# Altium PCB LAUNCHXL-F28379D-REV2.0.PcbDoc (part 1 of 4)
Units mil, origin at the board's own origin, x right, y up, seen from the top; angles counter-clockwise.
Board outline 5110 x 2300 mil, 6 copper layers (Top, GND, Route1, Route2, VDD, Bottom), stack 61.008 mil thick; 247 components, 311 nets, 1123 pads, 621 vias.
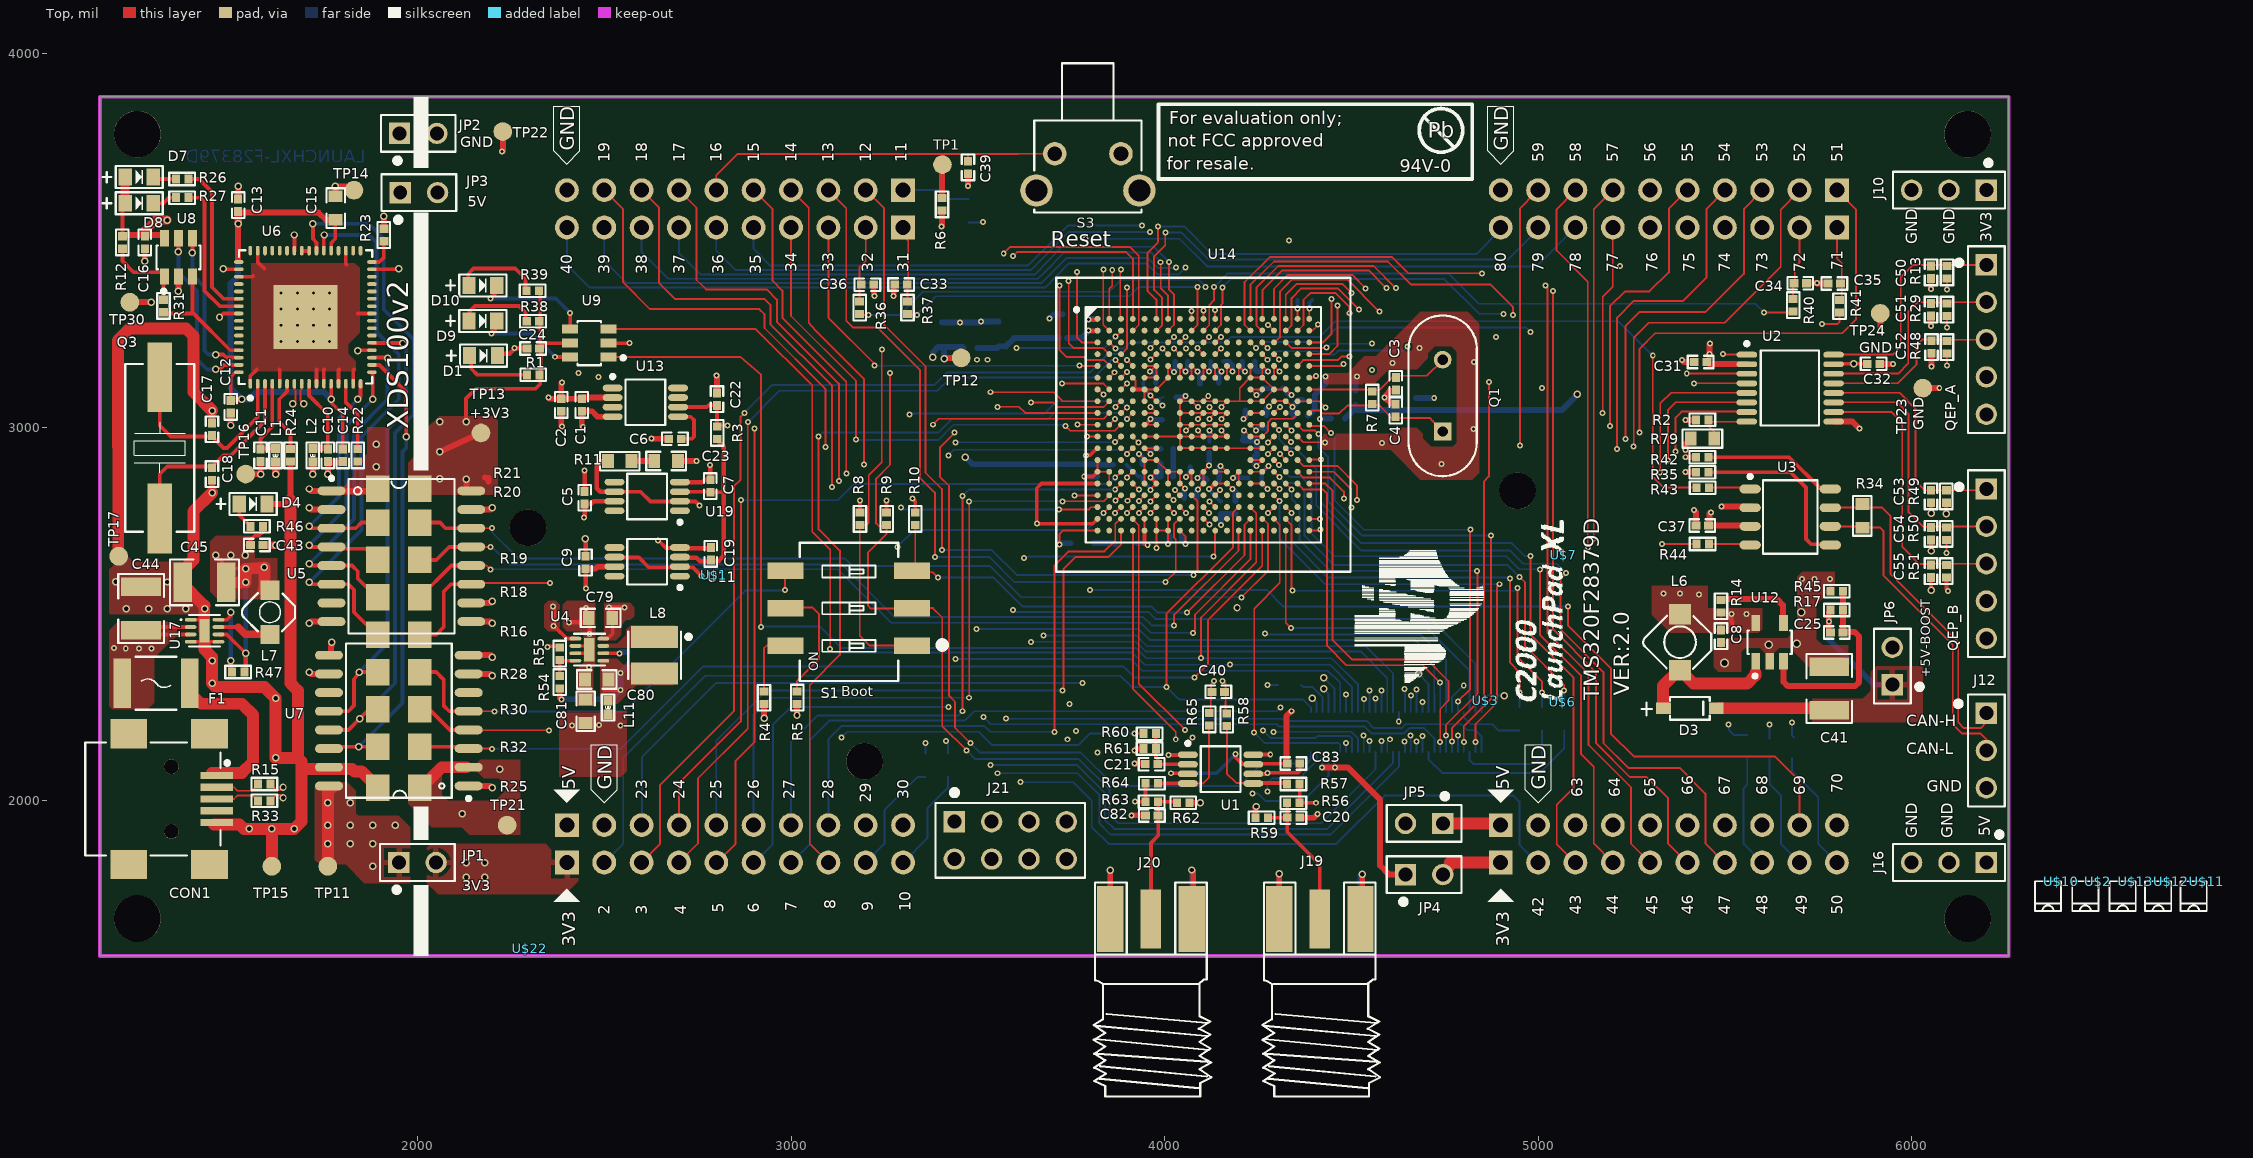
[diagram p0: Top view]
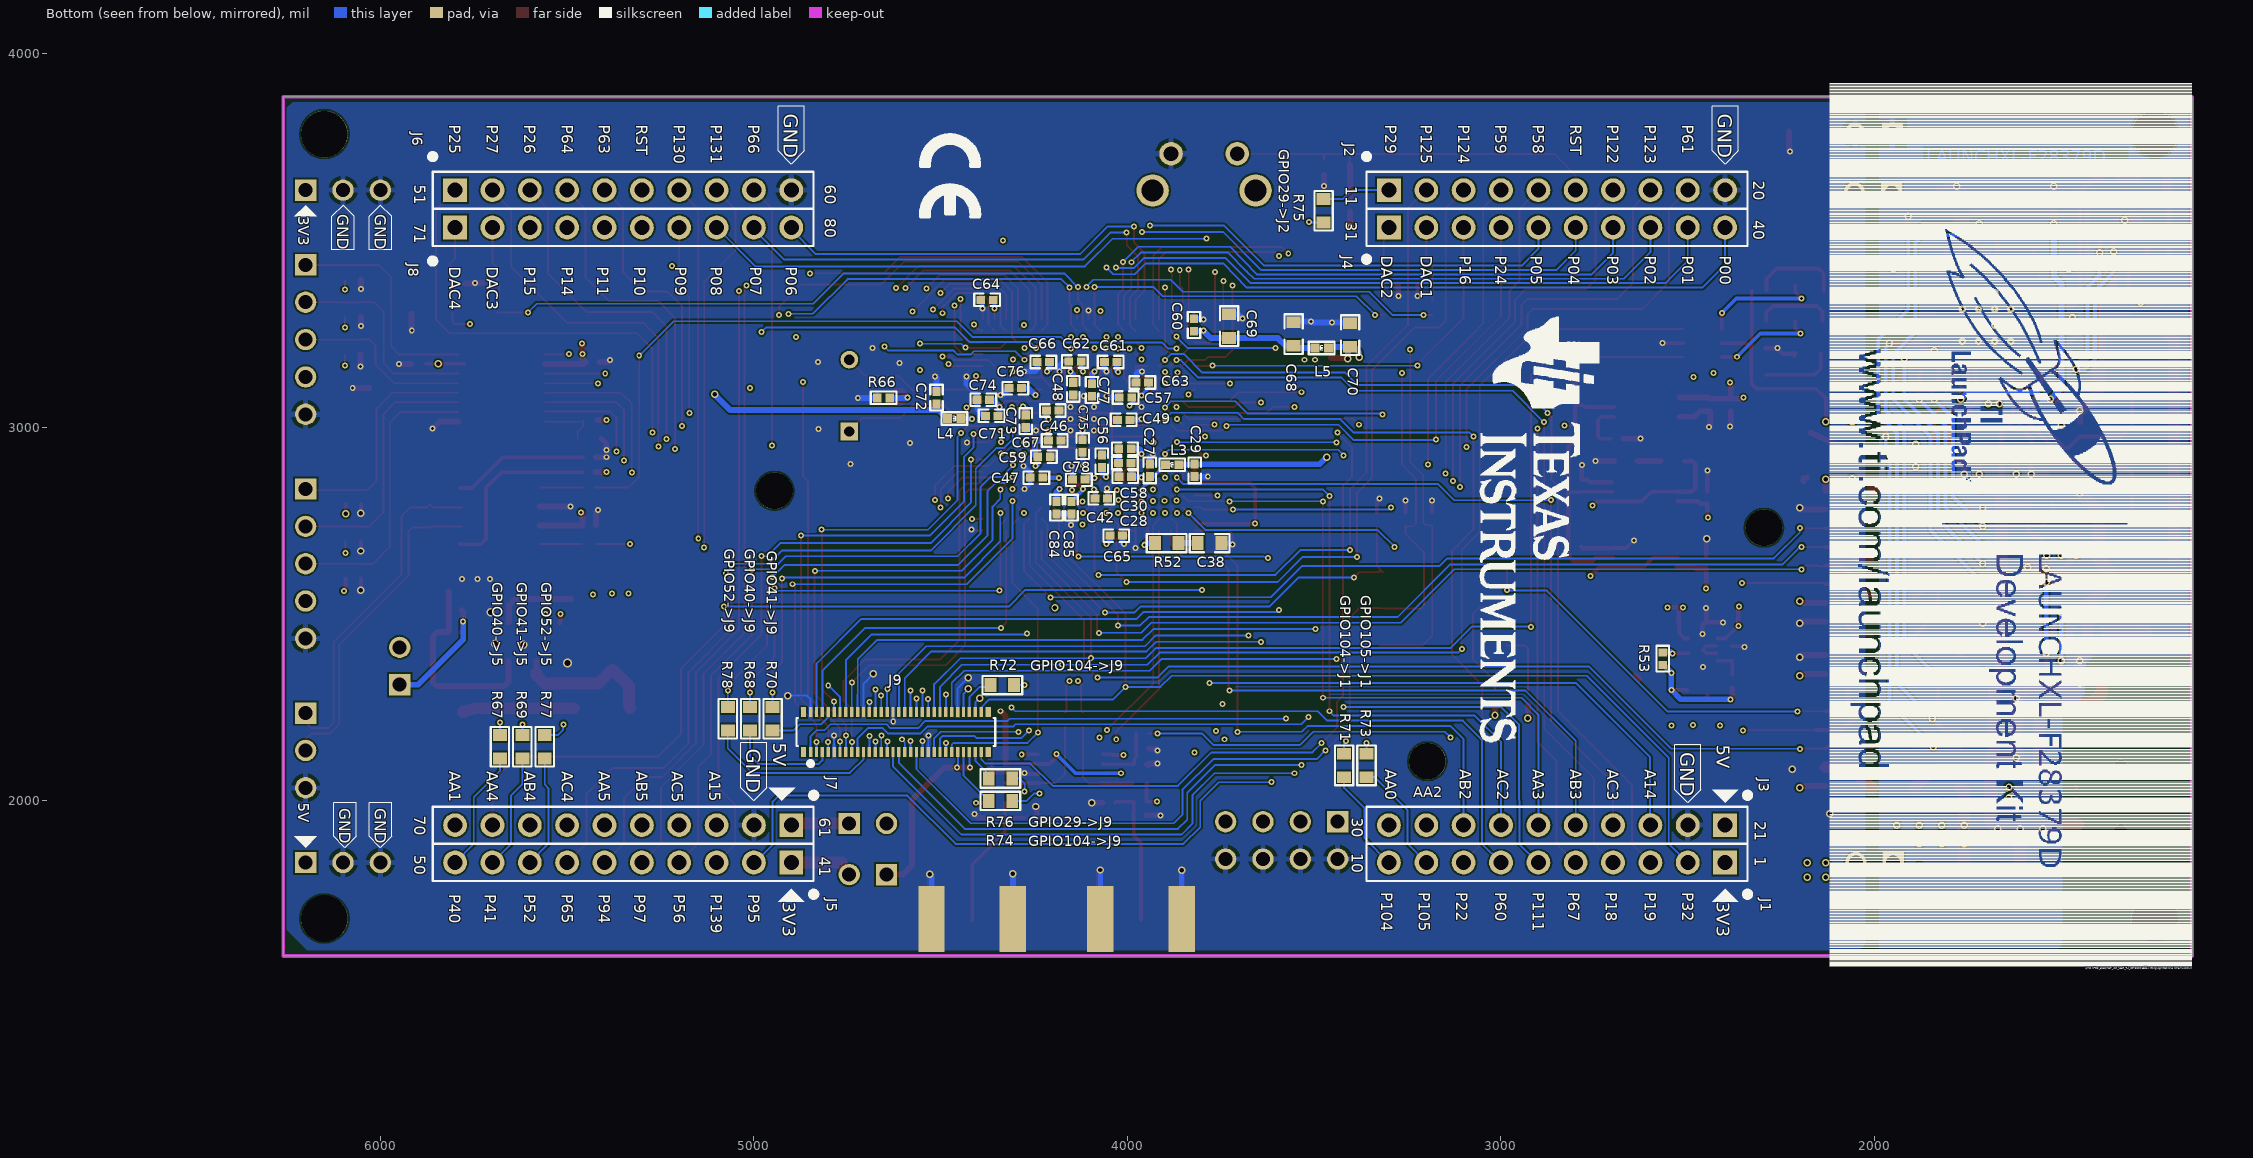
[diagram p1: Bottom view, seen from below]
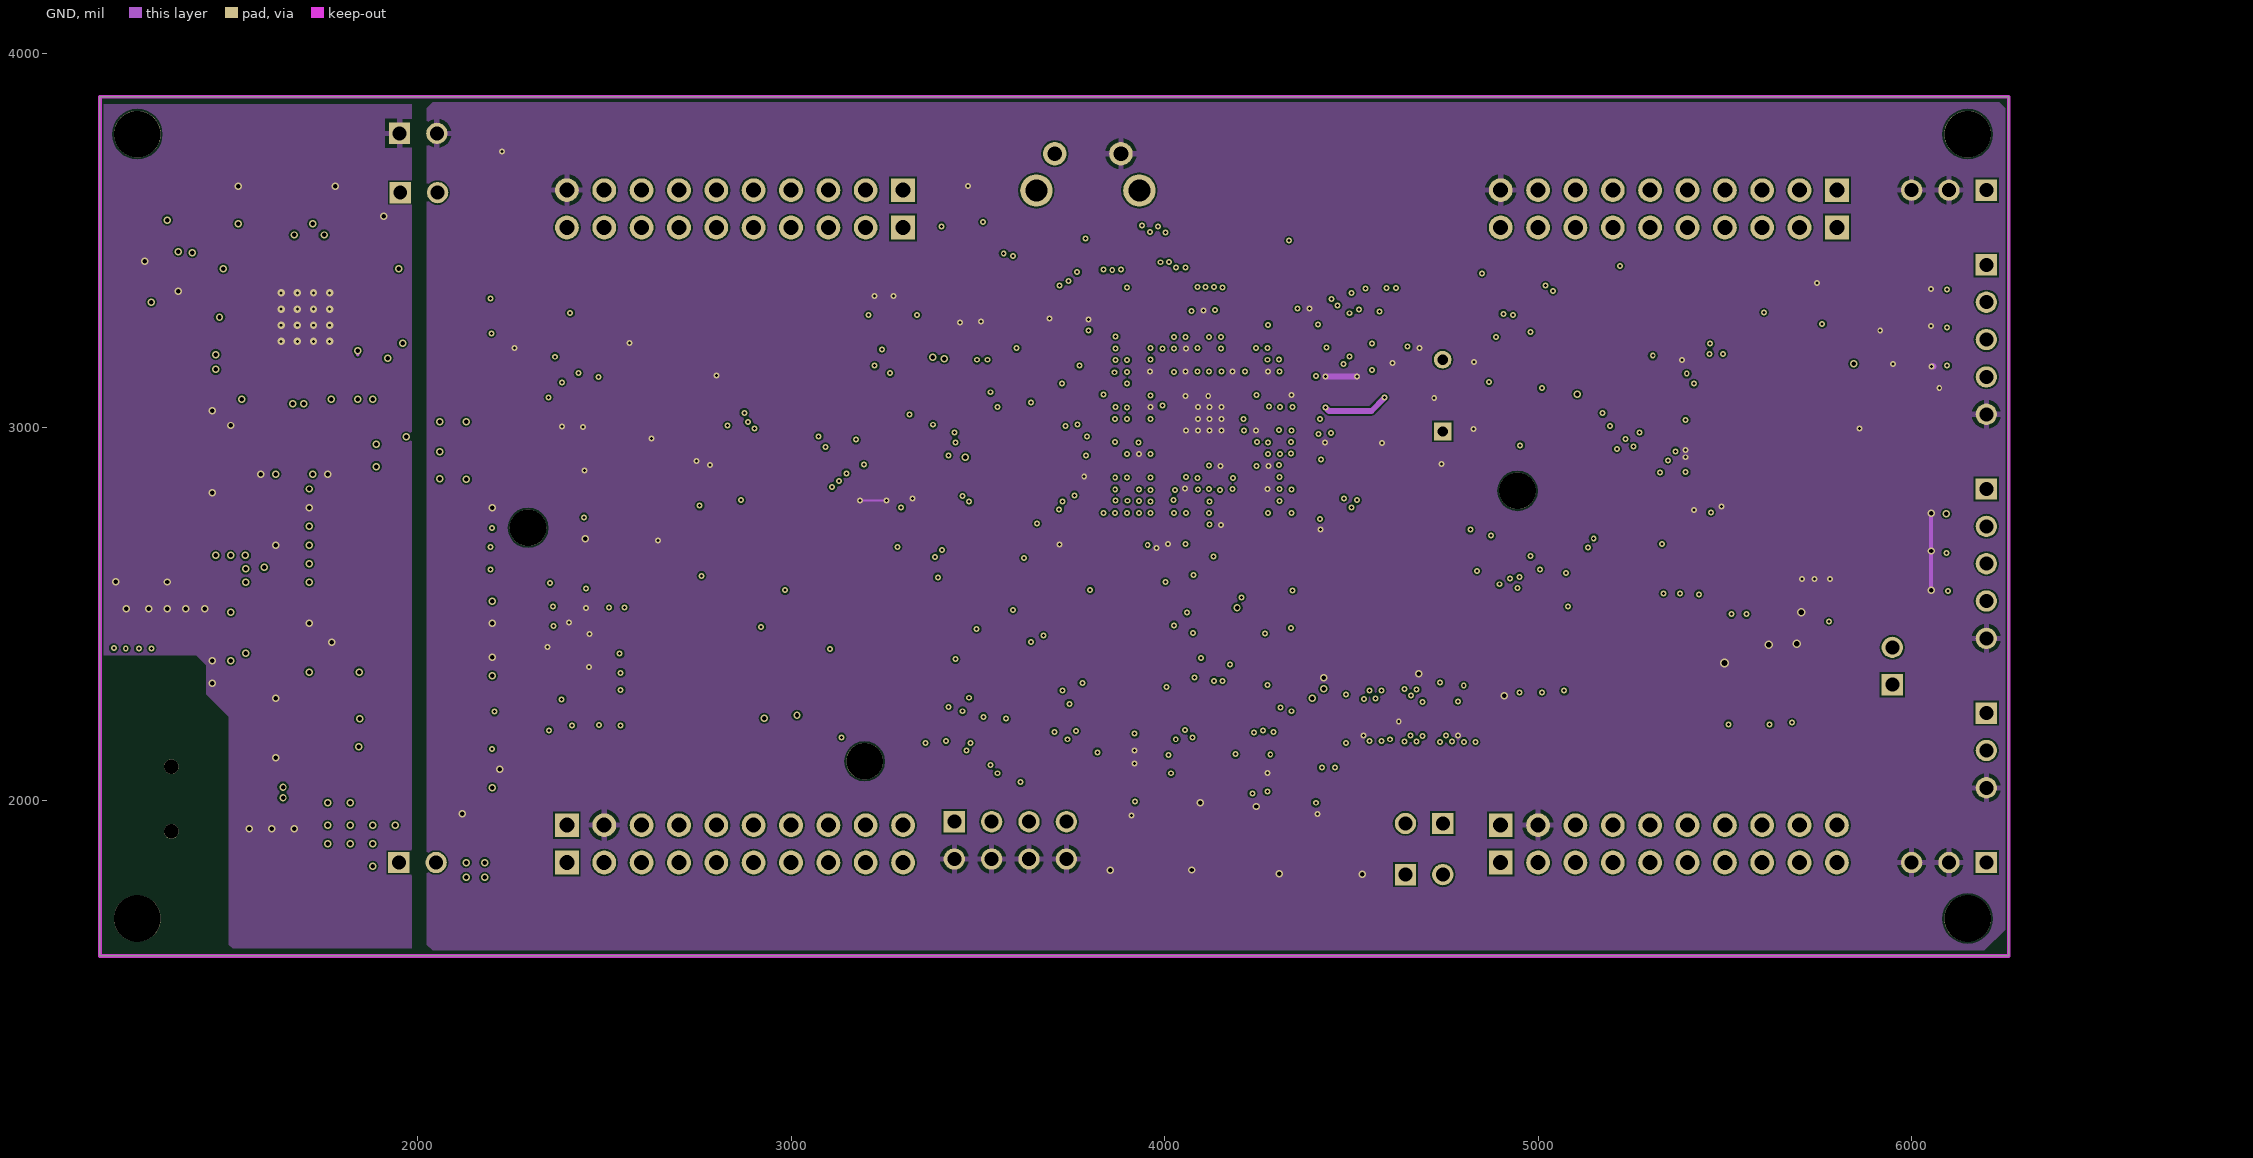
[diagram p2: GND]
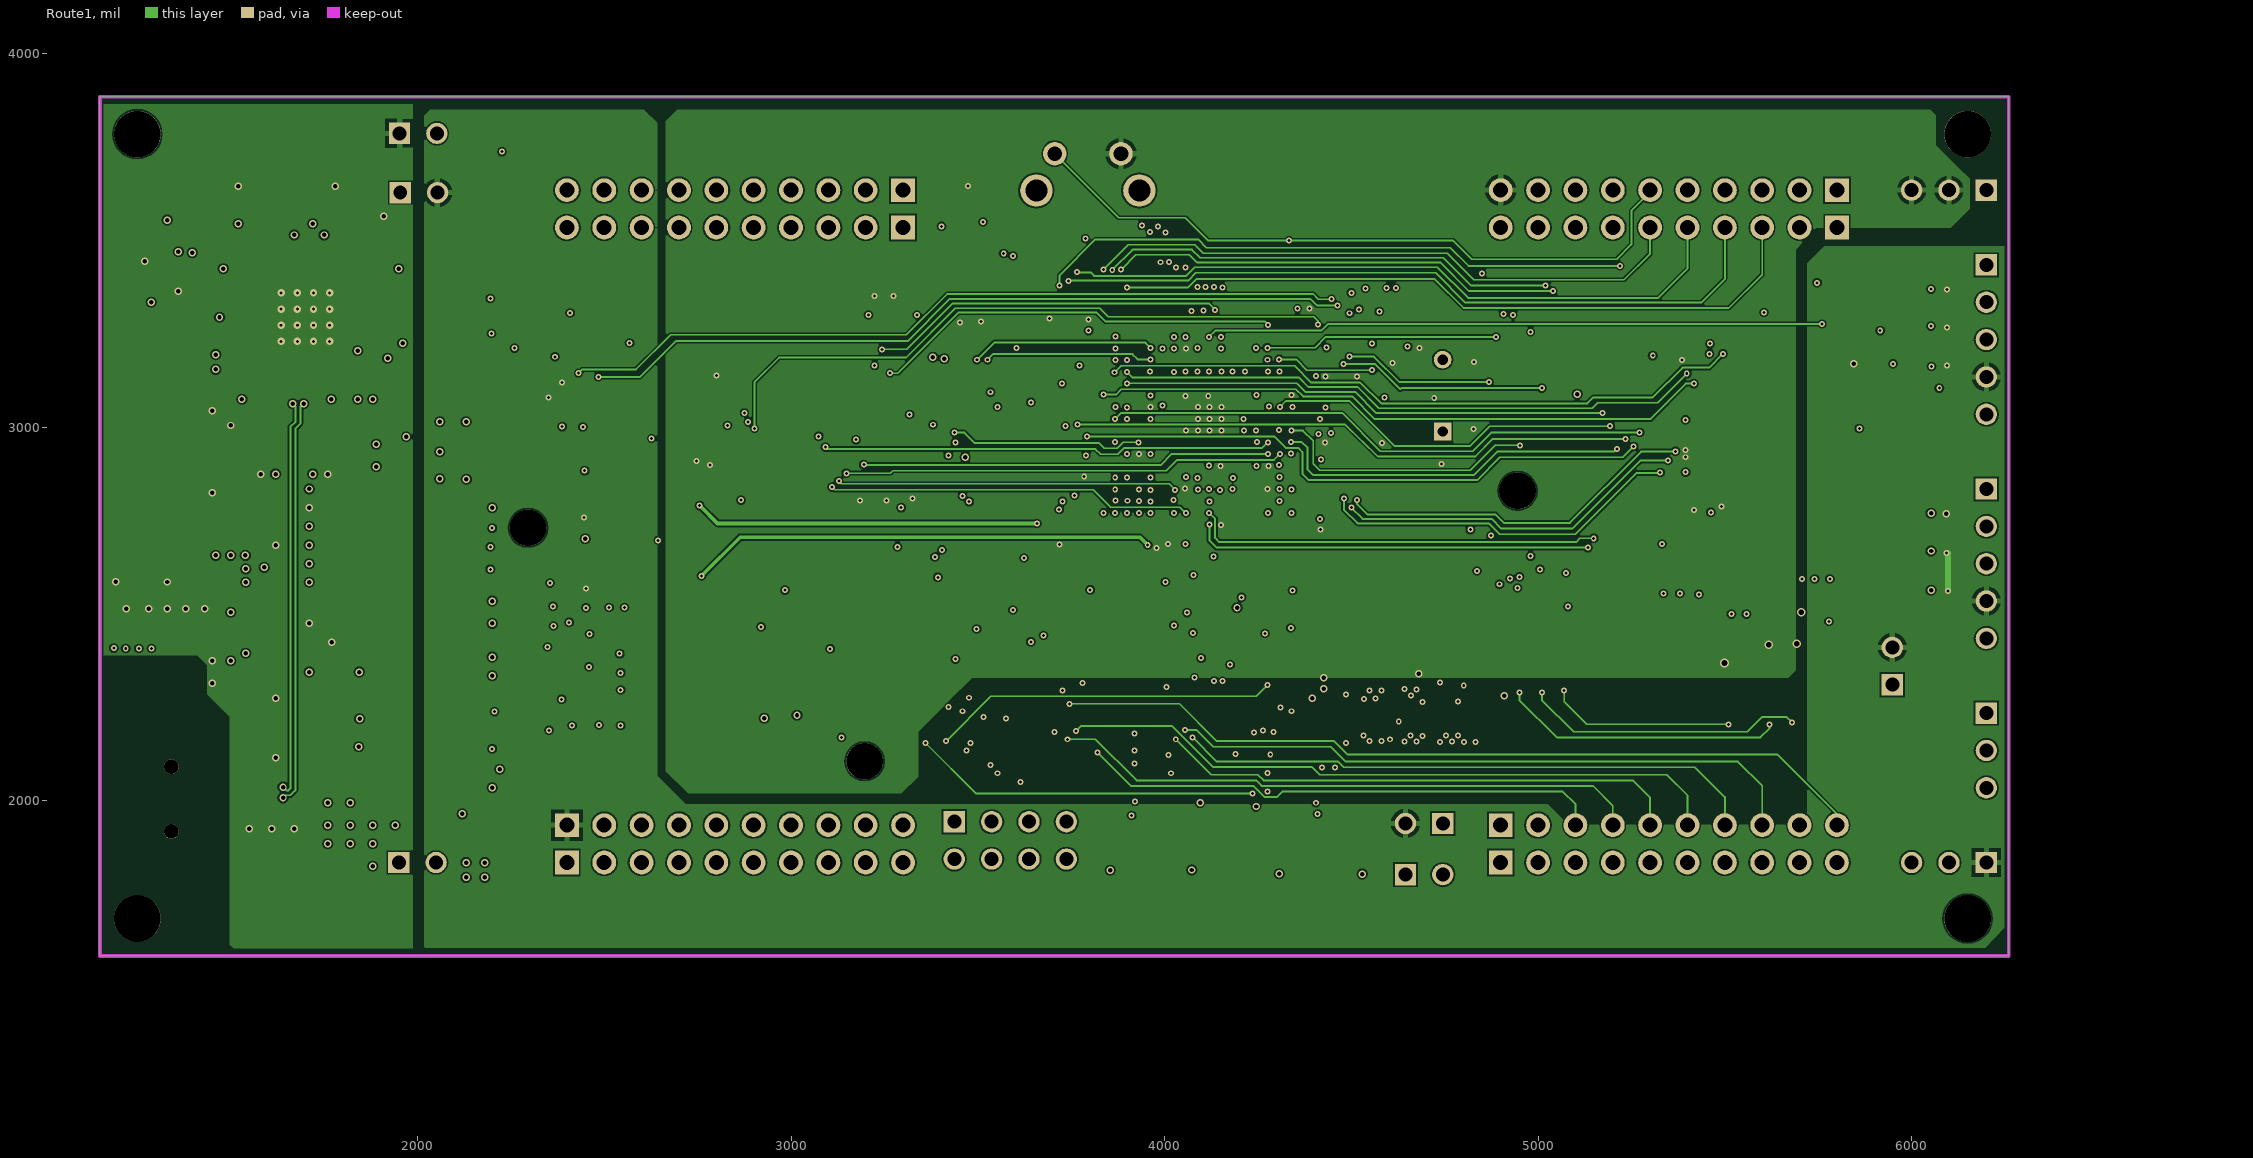
[diagram p3: Route1]
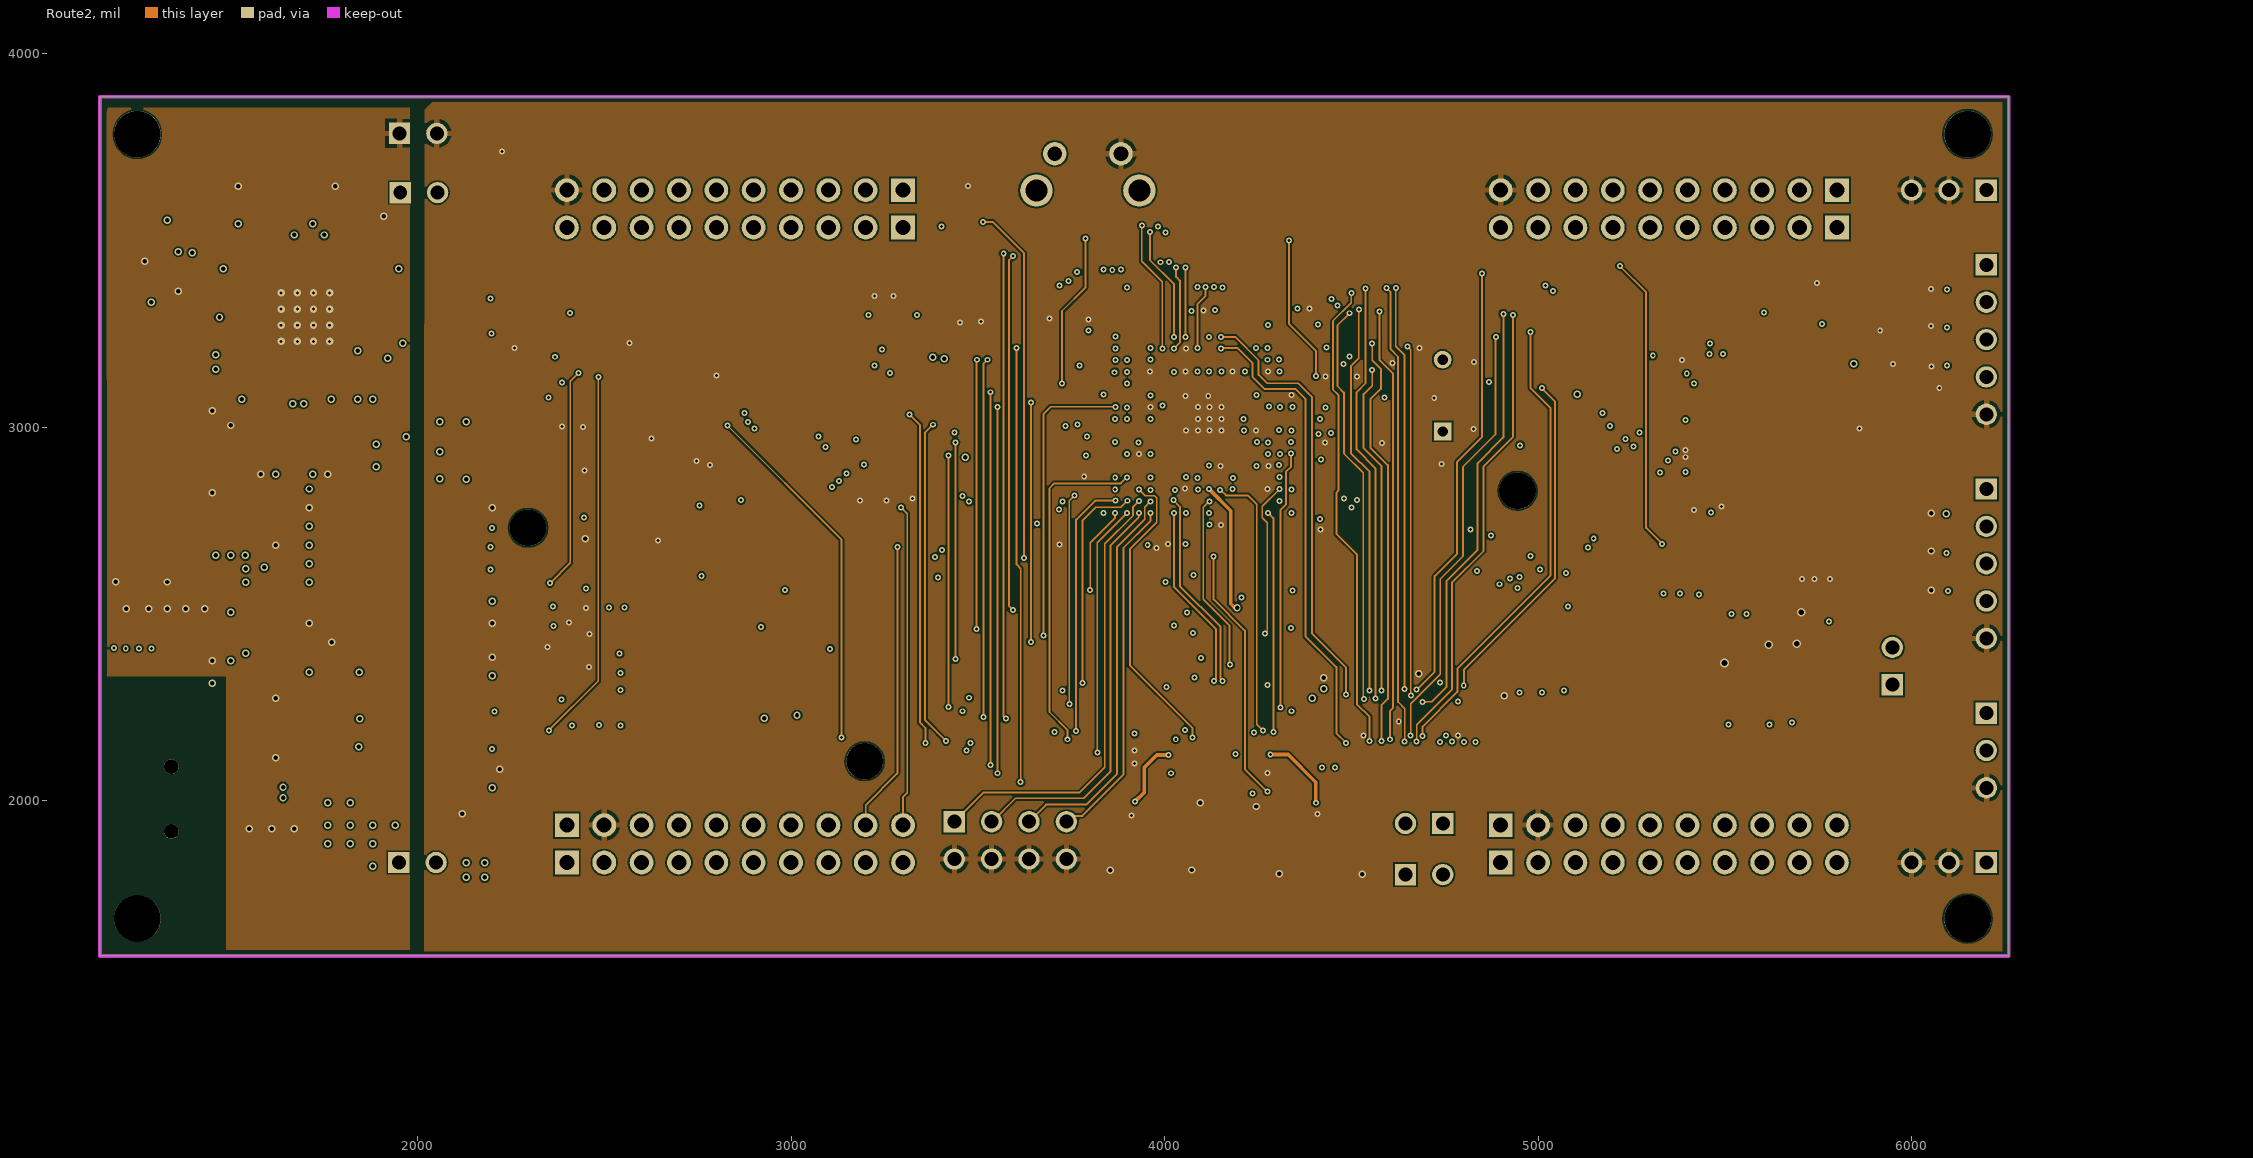
[diagram p4: Route2]
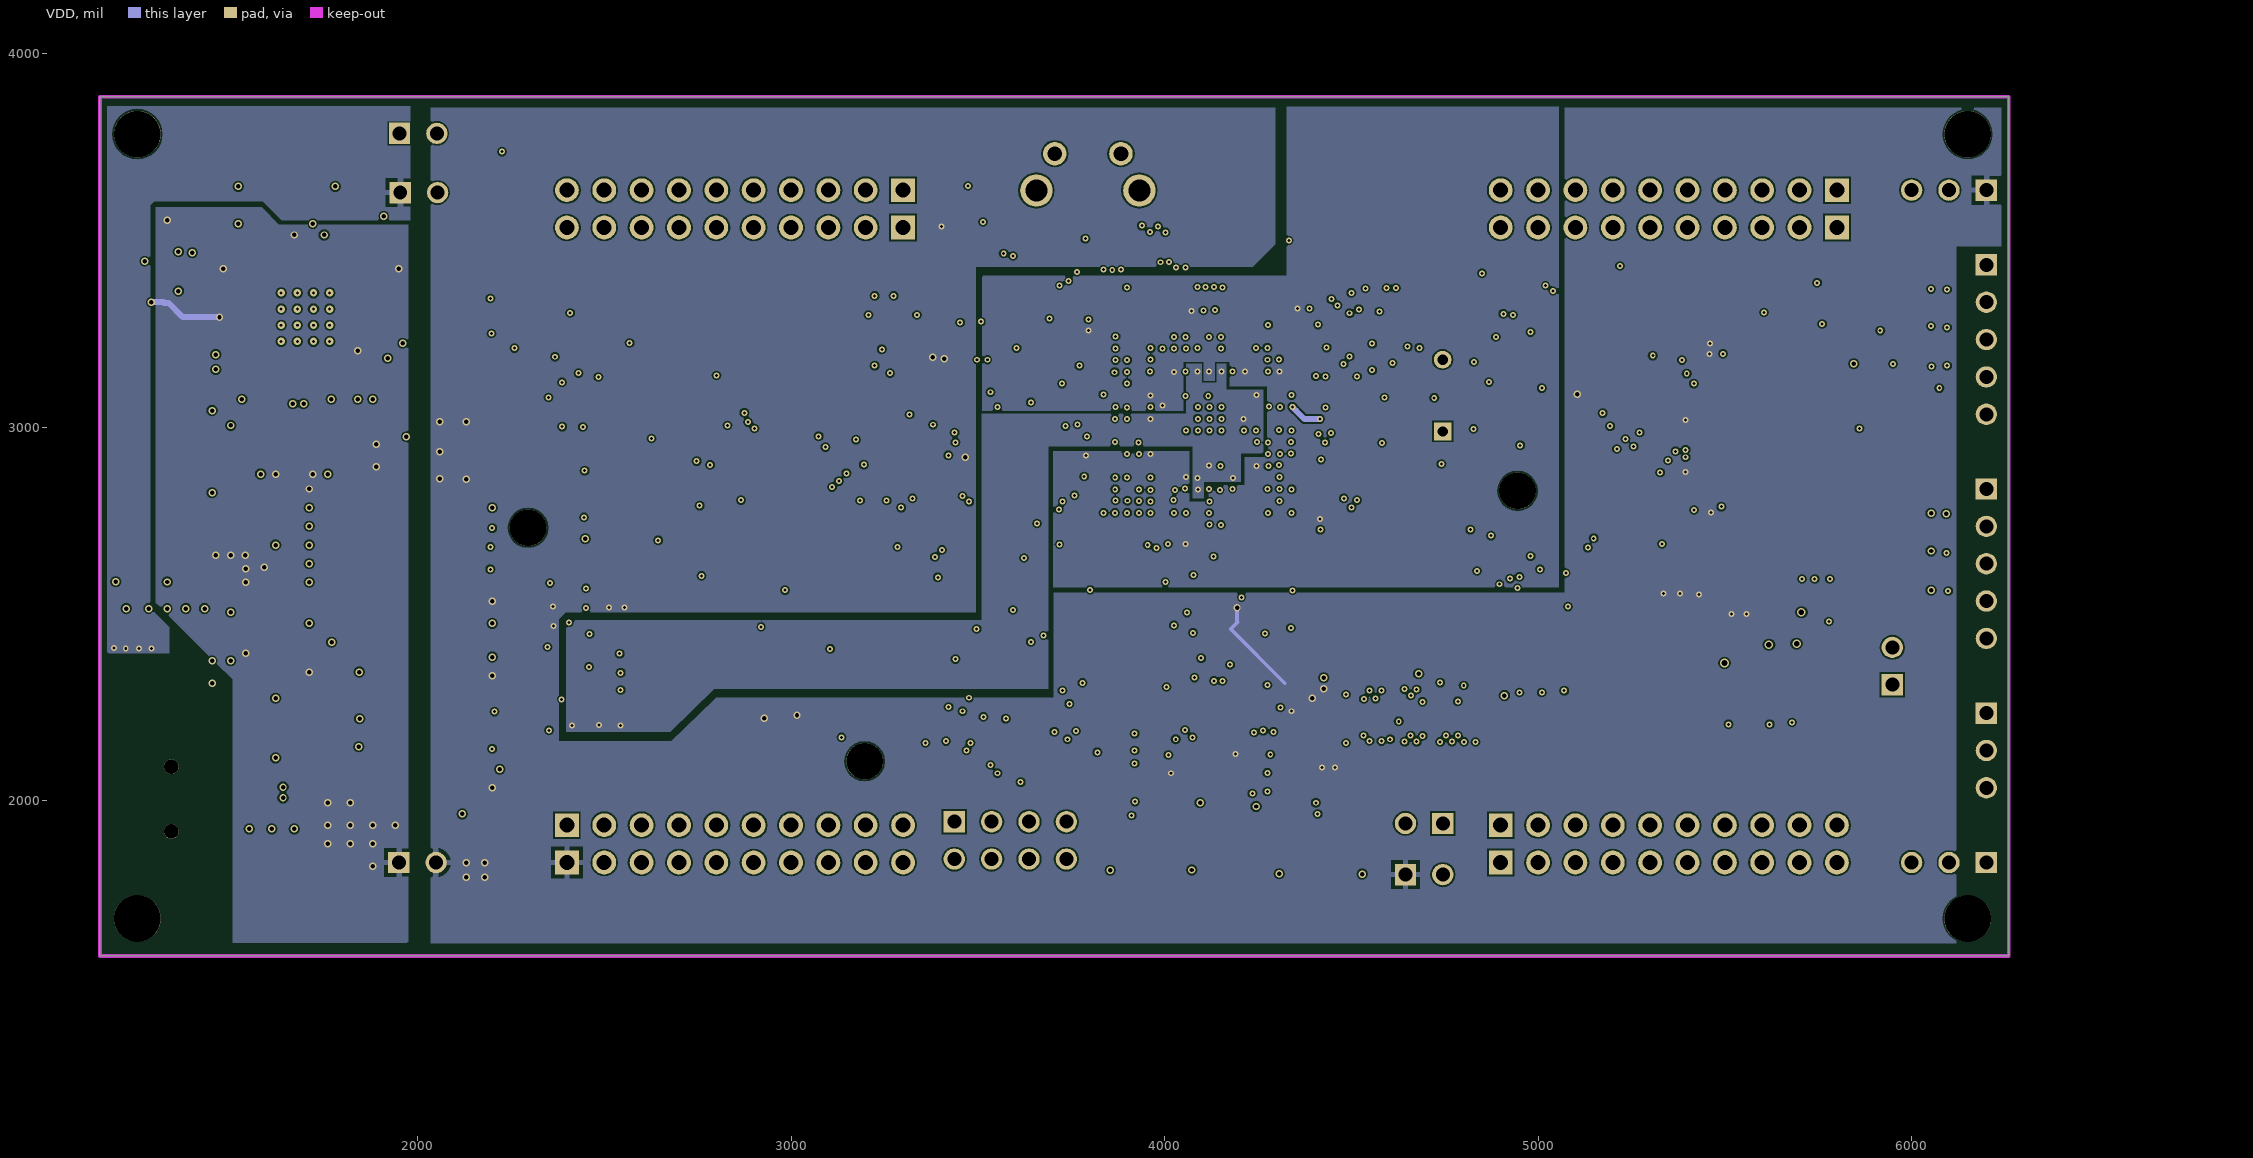
[diagram p5: VDD]

## Layer stack, top to bottom
Top Solder: solder mask 0.4, Solder Resist, Dk 3.5
Top: signal copper 0.7008
Dielectric 1: core 8, FR-4, Dk 4.8
GND: signal copper 1.4016
Dielectric 2: prepreg 8, FR-4, Dk 4.8
Route1: signal copper 1.4016
Dielectric 3: core 14, FR-4, Dk 4.8
Route2: signal copper 1.4016
Dielectric 4: prepreg 10, FR-4, Dk 4.8
VDD: signal copper 1.4016
Dielectric 5: core 14, FR-4, Dk 4.8
Bottom: signal copper 0.7008
Bottom Solder: solder mask 0.4, Solder Resist, Dk 3.5

## Board outline
6260,1585 1150,1585 1150,3885 6260,3885

## Design rules (kind name [scope] priority, off if disabled: settings)
Clearance Clearance_1 [WithinRoom('vRestrict1') vs IsVia or IsThruPin] p1: gap=10
Clearance [All] p2: gap=4.5
DiffPairsRouting DiffPairsRouting-90OHM [InDifferentialPairClass('90OHM')] p1: maxlimit=10 minlimit=4 mostfreqgap=7.9 toplayer_prefgap=8.1 toplayer_minwidth=4 toplayer_maxwidth=15 toplayer_prefwidth=4.9 midlayer1_minwidth=4 midlayer1_maxwidth=15 midlayer1_prefwidth=5.1 midlayer2_minwidth=4 midlayer2_maxwidth=15 midlayer2_prefwidth=5.1 midlayer3_minwidth=4 midlayer3_maxwidth=15 midlayer3_prefwidth=5.1 midlayer4_minwidth=4 midlayer4_maxwidth=15 midlayer4_prefwidth=5.1 bottomlayer_prefgap=8.1 bottomlayer_minwidth=4 bottomlayer_maxwidth=15 bottomlayer_prefwidth=4.9 maxuncoupledlength=500
HoleSize HoleSize_1 [All] p1: absolutevalues=TRUE maxlimit=100000 minlimit=8 maxpercent=80.000 minpercent=20.000
HoleSize [All] p2: absolutevalues=TRUE maxlimit=100 minlimit=1 maxpercent=80.000 minpercent=20.000
HoleToHoleClearance mdViaViaSameLayer [All] p1: gap=8 allowstackedmicrovias=TRUE
HoleToHoleClearance [All] p2: gap=10 allowstackedmicrovias=TRUE
MatchedLengths DiffPair_MatchedLengths [InDifferentialPairClass('90OHM')] p1: tolerance=40 checknetsindiffpair=TRUE checkdiffpairvsdiffpair=FALSE checkxsignals=FALSE checkothers=FALSE
MinimumSolderMaskSliver [All] p1: minsoldermaskwidth=0.09
PasteMaskExpansion mlMinCreamFrame [All] p1: expansion=0
PasteMaskExpansion [All] p2: expansion=0
PlaneClearance [All] p1: clearance=10
PlaneConnect [All] p1: planeconnectstyle=Direct reliefexpansion=20 reliefentries=4 reliefconductorwidth=10 reliefairgap=10
PolygonConnect PolygonConnect_Dip [InThruComponent] p1: connectstyle=Relief reliefconductorwidth=15 reliefentries=4 polygonreliefangle="90 Angle" airgapwidth=10
PolygonConnect PolygonConnect_0402 [HasFootprint('C0402') Or HasFootprint('R0402')] p2: connectstyle=Relief reliefconductorwidth=10 reliefentries=4 polygonreliefangle="90 Angle" airgapwidth=6
PolygonConnect ThermalVias [IsVia] p3: connectstyle=Direct reliefconductorwidth=10 reliefentries=4 polygonreliefangle="90 Angle" airgapwidth=10
PolygonConnect [All] p4: connectstyle=Direct reliefconductorwidth=15 reliefentries=4 polygonreliefangle="90 Angle" airgapwidth=10
RoutingVias [All] p1: holewidth=8 width=16 viastyle="Through Hole" minholewidth=8 minwidth=16 maxholewidth=20 maxwidth=50
SilkToSilkClearance [All] p1 off: silktosilkclearance=5
SilkToSolderMaskClearance [IsPad] p1 off: minsilkscreentomaskgap=10 clearancetoexposedcopper=TRUE
SolderMaskExpansion mlMinStopFrame [All] p1: expansion=3
SolderMaskExpansion [All] p2: expansion=4
Width Width_1 [All] p1: maxlimit=100000 minlimit=4 preferedwidth=10
Width [All] p2: maxlimit=10 minlimit=10 preferedwidth=10
21 further rules are at their usual default settings.

## Classes and differential pairs
component class P10_EX-Headers: C31 C32 C37 C50 C51 C52 C53 C54 C55 J10 J12 J16 QEP_A QEP_B R2 R13 R29 R34 R35 R42 R43 R44 R48 R49 R50 R51 R79 U2 U3
component class P09_F28379D-IO2: J9 R67 R68 R69 R70 R71 R72 R73 R74 R75 R76 R77 R78
component class P07_F28379D-PWR: C3 C4 C39 C84 C85 D1 Q1 R1 R4 R5 R6 R7 R8 R9 R10 R66 S1 S3 TP1 U14
component class P05_PWM-DAC: C24 C33 C34 C35 C36 D9 D10 R36 R37 R38 R39 R40 R41 U9
component class P04_ADCIND: C20 C21 C40 C82 C83 J19 J20 J21 R56 R57 R58 R59 R60 R61 R62 R63 R64 R65 TP21 TP22 TP23 TP24 U1
component class P03_Power: C1 C2 C5 C6 C7 C8 C9 C19 C22 C23 C25 C27 C28 C29 C30 C38 C41 C42 C46 C47 C48 C49 C56 C57 C58 C59 C60 C61 C62 C63 C64 C65 C66 C67 C68 C69 C70 C71 C72 C73 C74 C75 C76 C77 C78 C79 C80 C81 D3 JP6 L3 L4 L5 L6 L8 L11 R3 R11 R14 R17 R45 R52 R53 R54 R55 U4 U11 U12 U13 U19
component class P02_XDS100v2: C10 C11 C12 C13 C14 C15 C16 C17 C18 C43 C44 C45 CON1 D4 D7 D8 F1 JP1 JP2 JP3 L1 L2 L7 Q3 R12 R15 R16 R18 R19 R20 R21 R22 R23 R24 R25 R26 R27 R28 R30 R31 R32 R33 R46 R47 TP11 TP12 TP13 TP14 TP15 TP16 TP17 TP30 U5 U6 U7 U8 U17 U$2 U$10 U$11
component class "P06_BoosterPack Headers": j1 J2 J3 J4 J5 J6 J7 J8 JP4 JP5 U$12 U$13
differential pair class 90OHM: NewDifferentialPair1 USB_D
differential pair USB_D: +D+ -D-
differential pair NewDifferentialPair1: +NetCON1_3 -NetCON1_2
